# Altium PCB RevA3.PcbDoc (part 2 of 5) (continued)
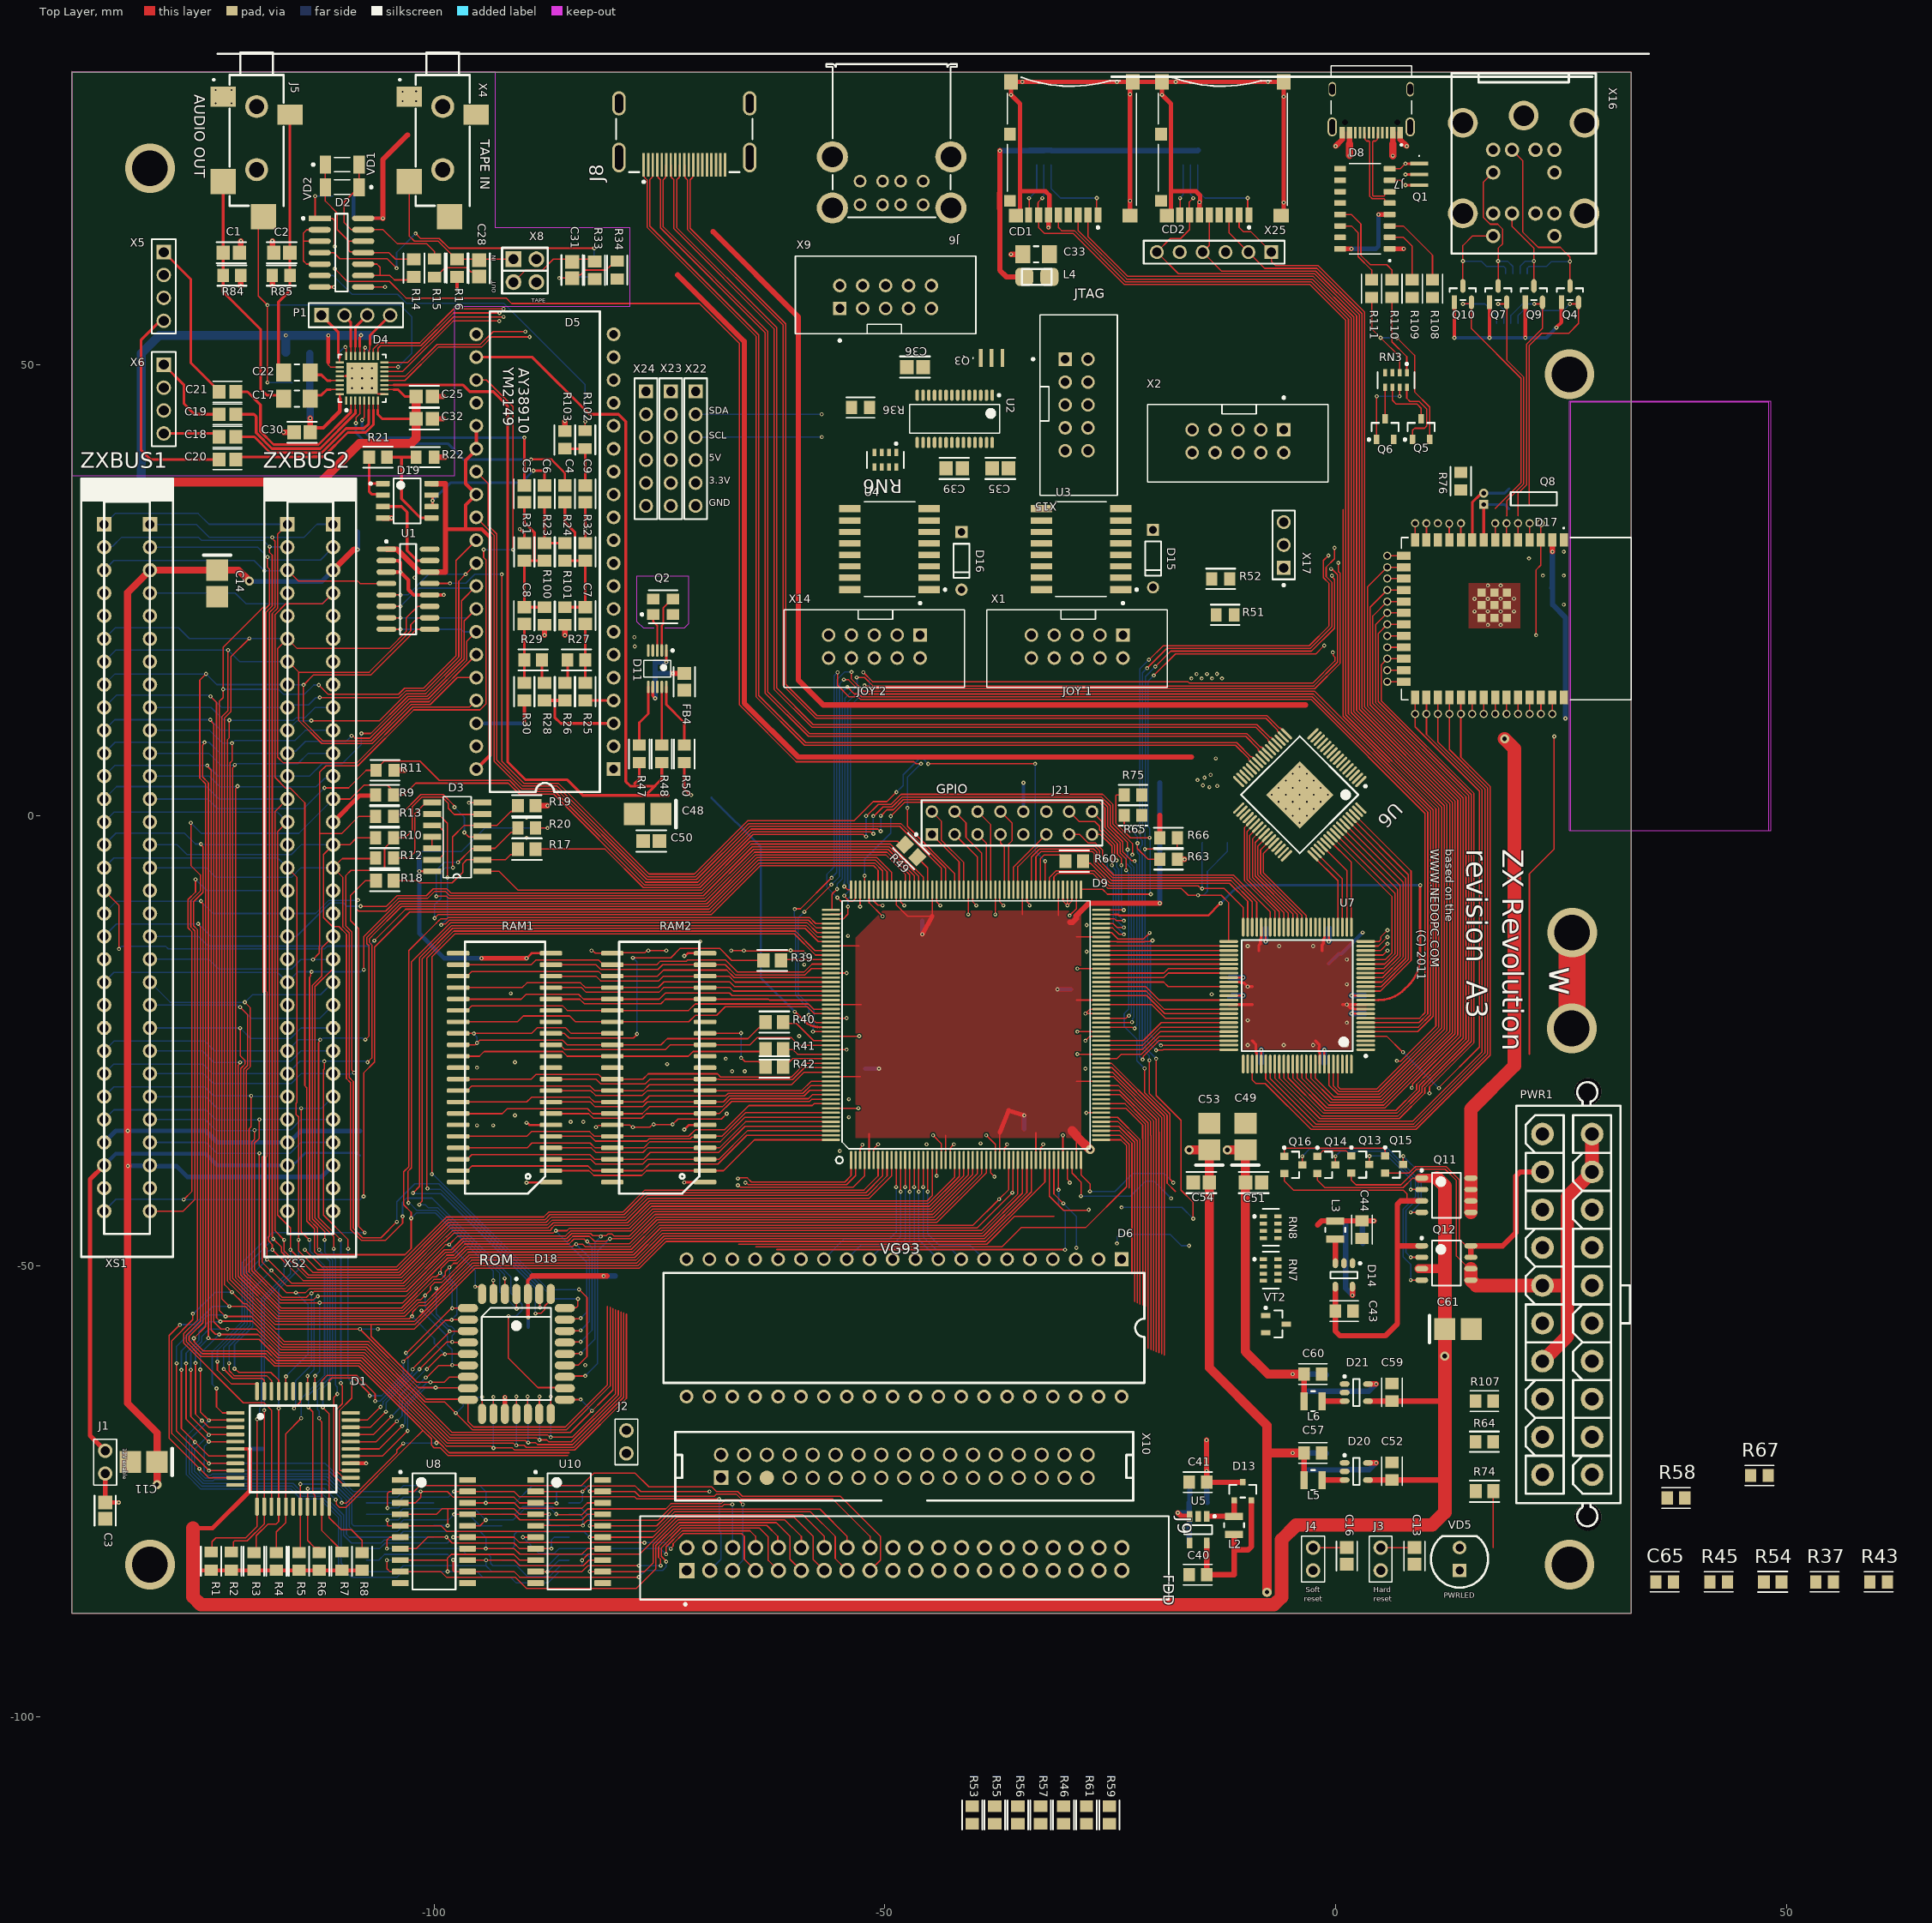
[diagram p0: Top Layer view]
## Part data (continued)
J7: "C Type USB Type-C Female Plug 16 Pin Connector Power Charger Jack Port", Package=Package, Availability=Unavailable, Check_prices=https://www.snapeda.com/parts/CQ-USB-C16PSMT01/Shenzen%20Chuangqin%20Technology/view-part/5798994/?ref=eda, MF="Shenzen Chuangqin Technology", MP=CQ-USB-C16PSMT01, Price=None, SnapEDA_Link=https://www.snapeda.com/parts/CQ-USB-C16PSMT01/Shenzen%20Chuangqin%20Technology/view-part/5798994/?ref=snap
J8: library part CMP-1502-00169-2, "CONN RCPT HDMI 19POS SMD R/A", Color=Black, Flammability Rating="UL94 V-0", Max Operating Temperature=85°C, Min Operating Temperature=-25°C, Package Quantity=1, Body Material=Plastic, Connector Type=HDMI, Contact Material=Bronze, Features=Shielded, Gender=Receptacle, Height=5.55mm, Insulation Color=Black, Length=12.15mm, Mount="Surface Mount", Number of Contacts=19, Number of Ports=1, Number of Positions=19, Orientation="Right Angle", Packaging="Tape and Reel", RoHS Compliant=Yes, Series=WR-COM, Shielding=Shielded, Termination=SMD/SMT, Width=15mm
J9: library part CMP-1502-00015-2, "CONN HEADER VERT 40POS 2.54MM", Color=Black, Flammability Rating="UL94 V-0", Max Operating Temperature=125°C, Min Operating Temperature=-40°C, Voltage Rating=250V, Connector Type=Header, Contact Finish - Mating=GOLD, Contact Material="Copper Alloy", Contact Plating=Gold, Contact Shape=Square, Contact Type="Male Pin", Fastening Type=Pull, Gender=Male, Insulation Color=Black, Insulation Material=PBT, Mount="Through Hole", Number of Contacts=40, Number of Positions=40, Number of Rows=2, Packaging=Tray, Pitch=0.1inch, RoHS Compliant=Yes, Row Spacing=0.1inch, Series=WR-BHD, Termination=Solder
J21: library part CMP-03369-000064-1, "CONN HEADER VERT 16POS 2.54MM", Case/Package=PLD-16, Manufacturer="TE Connectivity", Category=Connector, Manufacturer Part Number=87227-8, Pitch=2.54mm
L1 L4: Case/Package=0805, Category=Inductor
L2 L3 L5 L6: library part CMP-06042-014522-1, "Shielded Wirewound Inductor 2.2uH 20% 2200mA 0.084Ω 1008 (2520)", Case Code (Imperial)=1008, Case Code (Metric)=2520, Current Rating=3A, DC Resistance (DCR)=84mR, Inductance=2.2uH, Max DC Current=2.2A, Max Operating Temperature=125°C, Min Operating Temperature=-40°C, Resistor Type=Wirewound, Test Frequency=1MHz, Tolerance=20%, Case/Package=1008, Core Material=Ferrite, Depth=2mm, Height - Seated (Max)=0.039inch, Lead Free="Lead Free", Length=0.098inch, Mount="Surface Mount", Packaging="Tape and Reel", Shielding=Shielded, Width=0.079inch
P1 X5 X6: library part CMP-1502-01064-1, "THT Vertical Pin Header WR-PHD, Pitch 2.54 mm, Single Row, 4 pins", Case/Package=PLS-4, Manufacturer="Wurth Electronics", Category=Connector, Manufacturer Part Number=61300411121, Pitch=2.54mm
PWR1: Case/Package="Mini-Fit 20 PIN 5.2", Analogs=MF-20MA;N42GP-20, Category=Connector
Q1 Q3: library part CMP-2000-06123-1, "Ceramic Resonator, 12 MHz, +/- 0.5%, -40 to 125 degC, 3-Pin SMD, RoHS, Tape and Reel", Capacitance=33pF, Manufacturer=Murata, Category=CrystalsandOscillators, Manufacturer Part Number=CSTCE12M0G55Z-R0
Q2: library part CMP-27762-000021-1, "CRYSTAL 25.0000MHZ 10PF SMD", Case/Package=SMD/SMT, Manufacturer=Abracon, Manufacturer Part Number=ABM8G-25.000MHZ-B4Y-T, Category=CrystalsandOscillators, Number of Pins=4, Termination=SMD/SMT
Q4 Q7 Q9 Q10: library part CMP-07173-000101-1, "MOSFET N-CH 50V 220MA SOT-23", Case/Package=SOT-23, Manufacturer="ON Semiconductor / Fairchild", Category=Transistor, Manufacturer Part Number=BSS138, Number of Pins=3, Termination=SMD/SMT
Q5 Q6 VT1 VT2: library part CMP-1177-00027-1, "NPN Silicon AF Transistor, 45 V VCEO, 500 mA IC, SOT23, Reel, Green", Case/Package=SOT-23, Manufacturer=Infineon, Category=Transistor, Manufacturer Part Number=BC817K-25, PackageDescription="3-Pin Small Outline Transistor Package, 1.3 x 2.9 mm Body, 0.95 mm Pitch", PartNumber=BC817K-25
Q8: library part CMP-1326-00001-1, "Low Frequency Cylindrical Watch Crystal, 32.768 kHz, -20 to 70 degC, 2-Pin 5 x 1.4 x 1.5 mm THD, RoHS, Bulk", Manufacturer=Abracon, Category=CrystalsandOscillators, Manufacturer Part Number=AB15T-32.768KHZ, PackageDescription="2-Pin THD, Body 5 x 1.4 mm, Pin Spacing 0.45 mm", PartNumber=AB15T-32.768KHZ
Q11 Q12: "IRF7104PBF Dual P-channel MOSFET Transistor; 2.3 A; 20 V; 8-Pin SOIC", Case/Package=SOIC, Continuous Drain Current (ID)="2.3 A", Drain to Source Breakdown Voltage="-20 V", Drain to Source Resistance="250 mΩ", Gate to Source Voltage (Vgs)="12 V", Mount="Surface Mount", Nominal Vgs="-3 V", Number of Elements=2, Number of Pins=8
Q13 Q14 Q15 Q16: library part CMP-1048-00691-1, "General Purpose Transistor, PNP Silicon, 3-Pin SOT-23, Pb-Free, Tape and Reel", Manufacturer="On Semiconductor", ComponentLink1Description="Manufacturer URL", ComponentLink1URL=http://www.onsemi.com/, ComponentLink2Description=Datasheet, ComponentLink2URL=http://www.onsemi.com/pub_link/Collateral/BC807-16LT1-D.PDF, ComponentLink3Description="Package Specification", ComponentLink3URL=http://www.onsemi.cn/pub_link/Collateral/318-08.PDF, DatasheetVersion="Rev. 10", fT Min (MHz)=100, IC Continuous (A)=-0.5, Mounting Technology="Surface Mount", PackageDescription="3-Pin Small Outline Transistor, Body 2.92 x 1.3 mm, Pitch 0.95 mm", PackageReference=SOT-23-3-318-08, PackageVersion="Rev. AP, 11/2009", Packing="Tape and Reel", PartNumber=BC807-25LT1G, Polarity=PNP, RoHS=TRUE
R1 R2 R7 R9 R10 R11 R12 R13 R15 R34 R98 R99 R104 R105: library part CMP-03412-000082-1, "RES SMD 680 OHM 1% 1/8W 0805", Case/Package=0805, Manufacturer=Yageo, Resistance=680Ω, Category=Res, Manufacturer Part Number=RT0805FRE07680RL
R3 R4 R5 R6 R8 R20 R45 R53 R59 R61 R62 R63 R65 R66 R75 R76 R84 R85 R127: library part CMP-07231-003873-1, "Thick Film Chip Resistors 0805 10kΩ 0.125W 5% 200ppm/°C", Case/Package=0805, Manufacturer=Bourns, Resistance=10kR, Category=Res, Manufacturer Part Number=CR0805-JW-103ELF, Number of Pins=2, Number of Terminations=2, Termination=SMD/SMT
R14 R16 R33 R112: library part CMP-02407-008731-1, "RES Thick Film, 47kΩ, 1%, 0.5W, 100ppm/°C, 0805", Case/Package=0805, Manufacturer=Vishay, Resistance=47kR, Category=Res, Manufacturer Part Number=CRCW080547K0FKEAHP, Number of Terminations=2, Termination=SMD/SMT
R17 R18 R39 R40 R41 R42 R49 R60 R74: library part CMP-2001-03561-2, "51Ω ±0.5% 0.1W 1/10W Chip Resistor 0805 (2012 Metric) Thin Film", Case/Package=0805, Manufacturer=Susumu, Resistance=51Ω, Category=Res, Manufacturer Part Number=RR1220Q-510-D, Number of Pins=2, Number of Terminations=2, Termination=SMD/SMT
R19 R38 R44 R46 R55 R56 R57 R83 R103: library part CMP-02407-004529-1, "RES Thick Film, 1kΩ, 1%, 0.5W, 100ppm/°C, 0805", Case/Package=0805, Manufacturer="Vishay Dale", Resistance=1kR, Category=Res, Manufacturer Part Number=CRCW08051K00FKEAHP, Number of Pins=2, Termination=Solder
R21 R23 R24 R25 R26 R27 R28 R29 R30 R31 R32 R100 R101 R126: library part CMP-03211-008328-1, "SMD Chip Resistor, Thin Film, 15KΩ, 100 V, 0805 [2012 Metric], 100 mW, 0.1%, RN73 Series", Case/Package=0805, Manufacturer="TE Connectivity", Resistance=15KΩ, Category=Res, Manufacturer Part Number=RN73C2A15KBTDF
R22 R37 R43 R51 R52 R102: library part CMP-03412-025935-1, "RES SMD 3.3K OHM 1% 1/8W 0805", Case/Package=0805, Manufacturer=Yageo, Resistance=3.3KΩ, Category=Res, Manufacturer Part Number=RT0805FRE073K3L
R35: library part CMP-07231-003724-1, "Thick Film Chip Resistors 0805 2.2kΩ 0.125W 5% 200ppm/°C", Case/Package=0805, Manufacturer=Bourns, Resistance=2.2kR, Category=Res, Manufacturer Part Number=CR0805-JW-222ELF, Number of Terminations=2, Termination=SMD/SMT
R36: library part CMP-2001-04496-2, "RES SMD 2.7K OHM 1% 1/8W 0805", Case/Package=0805, Manufacturer=Yageo, Resistance=2.7KΩ, Category=Res, Manufacturer Part Number=AC0805FR-072K7L
R47 R48 R50 R58 R67 R108 R109 R110 R111: library part CMP-07231-004348-1, "Thick Film Chip Resistors 0805 0Ω 0.125W 5%", Case/Package=0805, Manufacturer=Bourns, Resistance=0mR, Category=Res, Manufacturer Part Number=CR0805-J/-000ELF, Number of Pins=2, Termination=SMD/SMT
R54: library part CMP-2001-04378-6, "RES SMD 1M OHM 1% 1/8W 0805", Case Code (Imperial)=0805, Case Code (Metric)=2012, Max Operating Temperature=155°C, Max Power Dissipation=125mW, Min Operating Temperature=-55°C, Package Quantity=1, Resistance=1MR, Resistance Tolerance=1%, Resistor Type="Thick Film", Temperature Coefficient=100ppm/°C, Voltage Rating=150V, Case/Package=0805, Construction=Rectangular, Contact Plating=Tin, Depth=1.25mm, Features="Automotive AEC-Q200", Height=0.6mm, Lead Free="Lead Free", Length=2mm, Military Standard=Not, Mount="Surface Mount", Number of Pins=2, Number of Terminations=2, Packaging="Tape and Reel", Power Rating=125mW, Radiation Hardening=No, REACH SVHC="No SVHC", RoHS Compliant=Yes, Series=ERJ, Size Code=0805, Technology="THICK FILM", Termination=SMD/SMT, Tolerance=1%, Voltage Rating (DC)=150V, Width=1.2mm
R64: library part CMP-08839-004390-1, "Thick Film Chip Resistor, 0805, 1kΩ, 5%, 200ppm/°C, 0.125W, 150V", Case/Package=0805, Manufacturer=Rohm, Resistance=1kR, Category=Res, Manufacturer Part Number=MCR10ERTJ102, Number of Terminations=2
R71 R72 R73 R107: library part CMP-07231-004713-1, "Thick Film Chip Resistors 0805 4.7kΩ 0.125W 5% 200ppm/°C", Case/Package=0805, Manufacturer=Bourns, Resistance=4.7kR, Category=Res, Manufacturer Part Number=CR0805-JW-472ELF, Number of Terminations=2, Termination=SMD/SMT
R106 R124: library part CMP-26527-001097-1, "33kΩ ±5% 0.125W 0805 Thick Film Chip Resistor AEC-Q200 compliant", Case/Package=0805, Manufacturer="Stackpole Electronics", Resistance=33kR, Category=Res, Manufacturer Part Number=RMCF0805JT33K0, Number of Terminations=2
R113 R121 R123 R125: library part CMP-2001-00583-2, "RES 100K OHM 0.1% 1/8W 0805", Case Code (Imperial)=0805, Case Code (Metric)=2012, Max Operating Temperature=155°C, Max Power Dissipation=125mW, Min Operating Temperature=-55°C, Package Quantity=1, Resistance=100kR, Resistance Tolerance=0.1%, Resistor Type="Thin Film", Temperature Coefficient=25ppm/°C, Voltage Rating=100V, Case/Package=0805, Construction=Rectangular, Contact Plating=Tin, Depth=1.25mm, Features="Automotive AEC-Q200", Height=0.5mm, Lead Free="Lead Free", Length=2mm, Military Standard=Not, Mount="Surface Mount", Number of Pins=2, Number of Terminations=2, Packaging="Tape and Reel", Power Rating=125mW, Radiation Hardening=No, REACH SVHC="No SVHC", RoHS Compliant=Yes, Series=ERA-6A, Size Code=0805, Technology="METAL FILM", Termination=Solder, Tolerance=0.1%, Voltage Rating (DC)=100V, Width=1.25mm
R120 R122: library part CMP-02407-007310-1, "RES Thick Film, 22kΩ, 5%, 0.125W, 200ppm/°C, 0805", Case Code (Imperial)=0805, Case Code (Metric)=2012, Max Operating Temperature=155°C, Max Power Dissipation=125mW, Min Operating Temperature=-55°C, Package Quantity=1, Resistance=22kR, Temperature Coefficient=200ppm/°C, Tolerance=5%, Voltage Rating=150V, Case/Package=0805, Composition="Thick Film", Contact Plating=Tin, Depth=1.25mm, Features="Automotive AEC-Q200", Height=0.02inch, Lead Free="Lead Free", Length=2mm, Military Standard=Not, Number of Terminations=2, Packaging="Tape and Reel", Power Rating=125mW, Radiation Hardening=No, Termination=SMD/SMT, Voltage Rating (DC)=150V, Weight=0.000194oz, Width=0.049inch
RAM1 RAM2: Case/Package=SOJ-42, Category=IC
RN1 RN2 RN3 RN4 RN5 RN6 RN7 RN8: library part CMP-07230-000003-1, "RES ARRAY 4 RES 10K OHM 1206", Manufacturer=Bourns, Number Of Resistors=4, Package=CAT16-F4, Power Per Resistor=0.0625W, Power Rating=0.25W, Resistance=10kΩ, Temperature="-55°C to +125°C", Temperature Coefficient=200ppm/°C, Temperature Range High=+125°C, Temperature Range Low=-55°C, Tolerance=1%, Voltage Rating=50V, Automotive=No, Category=Res, ComponentLink2Description=Datasheet, ComponentLink2URL=https://www.bourns.com/docs/Product-Datasheets/CATCAY.pdf, Device Class L1="Passive Components", Device Class L2=Resistors, Device Class L3="Resistor Arrays", Digikey Description="RES ARRAY 4 RES 10K OHM 1206", Height=0.6mm, Lead Free=Yes, Manufacturer Part Number=CAT16-1002F4LF, Mouser Description="Resistor Networks & Arrays 10K 1% Concave 4resistors", Octopart=https://octopart.com/cat16-1002f4lf-bourns-1624551, RoHS=TRUE, Series=CAT16, Termination=Concave
U1: library part CMP-0004-00046-1, "8-Bit, 0.1 us MDAC, Parallel Input, Fast Control Signalling for DSP, Easy Micro Interface, 0 to 70 degC, 16-pin SOIC (D16), Green (RoHS & no Sb/Br)", Case/Package=SOIC-16, Manufacturer="Texas Instruments", Category=IC, Manufacturer Part Number=TLC7524CD, PackageDescription="16-Pin Plastic Small Outline, Body 9.9 x 3.9 mm, Pitch 1.27 mm", PartNumber=TLC7524CD
U2: "USB 2.0 HIGH SPEED 4-PORT HUB CONTROLLER", Case/Package=SSOP-28, Manufacturer="Terminus Technology Inc", Category=IC
U3 U4: library part CMP-10112-000010-1, "IC I/O EXPANDER I2C 8B 16SOIC", Case/Package=SOT162-1, Manufacturer="NXP Semiconductors", Category=IC, Manufacturer Part Number=PCF8574T/3,518
U5: library part CMP-0388-00116-2, "28 V, 250 mA Switch Boost Converter for LCD and White LED Applications, 1.8 to 6 V, -40 to 85 degC, 5-pin SOT23 (DBV5), Green (RoHS & no Sb/Br)", Manufacturer="Texas Instruments", Rating=Catalog, Switching Frequency(Max)(kHz)=1000, Code_JEDEC=MO-178, ComponentLink1Description="Manufacturer URL", ComponentLink1URL=http://www.ti.com/, ComponentLink2Description=Datasheet, ComponentLink2URL=http://www.ti.com/general/docs/lit/getliterature.tsp?genericPartNumber=TPS61041&fileType=pdf, ComponentLink3Description="Package Specification", ComponentLink3URL=http://www.ti.com/litv/pdf/mpds018i, DatasheetVersion=SLVS413F, Dimming=TRUE, Eco-Plan="Green (RoHS & no Sb/Br)", Iout(Max)(A)=0.05, Iq(Typ)(mA)=0.028, Mounting Technology="Surface Mount", PackageDescription="5-Pin Plastic Small Outline, Body 1.60 Ãƒâ€” 2.90 mm, Pitch 0.95 mm", PackageReference=DBV0005A, PackageVersion=4073253-4/K, PartNumber=TPS61041DBVR, SubFamily="White LED Driver", Topology=Boost, Vin(Max)(V)=6, Vin(Min)(V)=1.8
U6: library part CMP-2000-05043-1, "High Performance HDMI Transmitter, 165 MHz, 1.8 to 3.3 V, -25 to 85 degC, 64-Pin LQFP, RoHS, Tray", Manufacturer=AnalogDevicesInc., Maximum Operating Temperature=+85C, Minimum Operating Temperature=-25C, Operating Supply Voltage=1.8Vto3.3V, Package / Case=LQFP-64, Brand=AnalogDevices, Datasheet URL=https://datasheet.ciiva.com/15120/getdatasheetpartid-570006-15120176.pdf, Datasheet Version="Rev. A, 01/2013", Factory Pack Quantity=160, Manufacturer URL=http://www.analog.com/, Mounting Style=SMD/SMT, Number of Channels=8Channel, Packaging=Tray, Product Category=VideoICs, RoHS=Details, Series=ADV7513, Type=HDMITransmitters
U7: library part CMP-0144-00216-1, "MAX II 3.3/2.5V CPLD, 80 IOs, 240 Logic Elements, 100-Pin Plastic TQFP, Commercial Temperature, Speed Grade 5", Case/Package=TQFP-100, Manufacturer="Intel Altera", Category=IC, Manufacturer Part Number=EPM240T100C5, PackageDescription="100-Pin Plastic Thin Quad Flat Pack (TQFP100) - Wire Bond"
U8 U9 U10 U11: library part CMP-1619-00865-2, "Octal D-Type Edge Triggered Flip-Flops with 3-State Outputs, NS0020A, LARGE T&R", F @ Nom Voltage(Max)(Mhz)=75, Generic Part Number=SN74ALS374A, ICC @ Nom Voltage(Max)(mA)=31, Manufacturer="Texas Instruments", Operating Temperature Range(C)="0 to 70", Rating=Catalog, tpd @ Nom Voltage(Max)(ns)=16, Voltage(Nom)(V)=5, 3-State Output=Yes, Bits(#)=8, DatasheetVersion=SDAS167C, Input Type=TTL, Output Drive (IOL/IOH)(Max)(mA)=24/-2.6, Output Logic=Non-inverted, Output Type=TTL, PackageReference=NS0020A, Schmitt Trigger=No, Technology Family=ALS, VCC(Max)(V)=5.5, VCC(Min)(V)=4.5
VD1 VD2: library part CMP-02540-000025-1, "DIODE GEN PURP 75V 150MA SOD80", Capacitance=4pF, Case/Package=SOD80, Manufacturer=Vishay, Category=Diode, Manufacturer Part Number=LS4148-GS08
VD5: "Light Emitting Diode", Category=Diode
X1 X2 X9 X14 X15: library part CMP-2000-06794-1, "Male Header, Pitch 2.54 mm, 2 x 5 Postion, Height 9.91 mm, Tail Length 2.84 mm, -55 to 105 degC, RoHS, Bulk", Case/Package=IDC-10, Manufacturer=3M, PartNumber=N2510, Category=Connector, Manufacturer Part Number=N2510-6002RB, Pitch=2.54mm
X8: Case/Package=PLD-4, Category=Connector
X10: Case/Package=IDC-34, Category=Connector
X16: Case/Package="Stacked Mini DIN", Category=Connector
X17: library part CMP-1676-00001-5, "Male Header, Pitch 2.54 mm, 1 x 3 Position, Height 8.38 mm, Tail Length 3.18 mm, RoHS, Bulk", Case/Package=PLS-3, Manufacturer=Molex, Category=Connector, Manufacturer Part Number=22-28-4033, PackageDescription="Male Header, Pitch 2.54 mm, 1 x 3 Position, Height 8.38 mm, Tail Length 3.18 mm"
X22 X23 X24 X25: library part CMP-1024-00383-1, "0.025\" SQ Post Header, Through-hole, Vertical, -55 to 125 degC, 2.54 mm Pitch, 6-Pin, Male, RoHS", Case/Package=PLS-6, Manufacturer=Samtec, Category=Connector, Manufacturer Part Number=TSW-106-07-G-S, PackageDescription=".025[0.64] SQ. Post Terminal Strip Assembly", PartNumber=TSW-106-07-G-S, Pitch="2.54 mm"
XS1 XS2: Case/Package=SL62, Category=Connector

## Via types
v1: diameter 0.45, hole 0.2, Top Layer to Bottom Layer, tented both sides, 631 vias
v2: diameter 0.9, hole 0.6, Top Layer to Bottom Layer, 35 vias
v3: diameter 0.5, hole 0.2, Top Layer to Bottom Layer, 25 vias
v4: diameter 0.45, hole 0.2, Top Layer to Bottom Layer, tented bottom, 18 vias
v5: diameter 0.45, hole 0.2, Top Layer to Bottom Layer, 15 vias
v6: diameter 1, hole 0.5, Top Layer to Bottom Layer, tented both sides, 9 vias
v7: diameter 5.5, hole 3.96, Top Layer to Bottom Layer, 6 vias

## Nets (pads, with @x,y where several pads share a name; then routed paths per layer and width w, separated by ;. In a path a pad name is that pad's centre, name@x,y a point inside that pad or via, vN(x,y) a via of type N, cw(c..) or ccw(c..) an arc to the next point about the centre after c; other vN are vias at no path point)
2V5: C49.1 C51.1 C60.2 C75.2 C77.1 C84.1 C86.1 C88.1 D9.21 D9.33 D9.48 D9.72 D9.77 D9.91 D9.106 D9.124 D9.130 D9.152 D9.185 D9.201 L6.2 R125.2 | length 94.7
  Top Layer w0.15: D9.201@-56,-32.5 v1(-52.95,-32.5) ; D9.185@-56,-24.5 v1(-52.85,-24.5) ; D9.152@-51.75,-8.25 -51.75,-9.7 v1(-50.25,-11.2) ; v1(-44.65,-35.5) -43.75,-36.4 D9.21@-43.75,-38.25 ; v1(-40.75,-11) D9.130@-40.75,-8.25 ; v1(-38.75,-35.5) -37.75,-36.5 D9.33@-37.75,-38.25 ; v1(-37.75,-11) D9.124@-37.75,-8.25 ; D9.48@-30.25,-38.25 v1(-30.25,-35.5) ; v1(-29.504,-11.113) -28.75,-10.359 D9.106@-28.75,-8.25 ; v1(-28.65,-26.5) D9.72@-26,-26.5 ; v1(-28.65,-24) D9.77@-26,-24 ; v1(-28.65,-17) D9.91@-26,-17
  Top Layer w0.6: L6.2@-3.5,-65 C60.2@-3.5,-62
  Top Layer w1: v6(-12,-37.125) C49.1@-10,-37.125 C51.1@-10,-40.75 -10,-59.5 -7.5,-62 v5(-4.75,-62) C60.2@-3.5,-62
  Mid Layer 2 w1: -29,-35.5 -29,-37.75 -27.75,-39 -13.875,-39 v6(-12,-37.125)
  Bottom Layer w0.6: v5(-4.75,-62) R125.2@-3.5,-62 -1.1,-62 C75.2@-1,-62.1
3V3: C23.1 C24.1 C25.1 C32.1 C53.1 C54.1 C57.2 C58.2 C63.1 C64.1 C67.1 C68.1 C69.1 C71.1 C72.1 C73.1 C76.1 C82.1 C85.1 C89.1 D4.8 D4.10 D4.21 D4.26 D9.5 D9.22 D9.34 D9.42 D9.51 D9.66 D9.84 D9.98 D9.110 D9.118 D9.138 D9.146 D9.165 D9.178 D9.194 FB4.1 J21.10 L1.2 L4.2 L5.2 Q4.1 Q7.1 Q9.1 Q10.1 R51.1 R52.1 R65.2 R66.2 R71.1 R73.1 R75.2 R123.2 RN1.5 RN1.6 RN1.7 RN1.8 RN2.5 RN2.6 RN2.7 RN2.8 RN5.1 RN5.2 RN5.3 RN5.4 U7.9 U7.13 U7.31 U7.45 U7.59 U7.63 U7.80 U7.94 X2.4 X15.4 X22.5 X23.5 X24.5 | length 652.1
  Top Layer w0.15: -111.75,50.25 -111.75,50 -111.5,49.75 D4.26@-110.475,49.75 ; D4.21@-108.25,50.975 -108.25,52 ; -106.25,45 D4.8@-106.25,46.025 ; D4.10@-105.525,47.25 -104.5,47.25 ; D9.194@-56,-29 -52.75,-29 ; D9.178@-56,-21 -52.65,-21 ; D9.165@-56,-14.5 -52.85,-14.5 ; D9.5@-51.75,-38.25 -51.75,-35.3 ; D9.146@-48.75,-8.25 -48.75,-9.913 -47.463,-11.2 -44.75,-11.2 D9.138@-44.75,-8.25 ; D9.22@-43.25,-38.25 -43.25,-35.5 ; D9.34@-37.25,-38.25 -37.25,-35.2 ; -34.75,-11 D9.118@-34.75,-8.25 ; D9.42@-33.25,-38.25 -33.25,-35.2 ; -30.75,-11.1 D9.110@-30.75,-8.25 ; D9.51@-28.75,-38.25 -28.75,-36.412 -28.75,-35.5 ; -28.75,-29.5 D9.66@-26,-29.5 ; -28.75,-20.5 D9.84@-26,-20.5 ; -28.75,-13.5 D9.98@-26,-13.5 ; -28.65,-35.5 -28.65,-35.4
  Top Layer w0.22: U7.63@-11.85,-20 v1(-10.25,-20) ; U7.59@-11.85,-18 v1(-10.25,-18) ; v1(-8.253,-26.002) -8.25,-26.005 U7.80@-8.25,-27.6 ; v1(-7.75,-14) U7.45@-7.75,-12.4 ; U7.94@-1.25,-27.6 v1(-1.25,-26) ; v1(-0.75,-14) U7.31@-0.75,-12.4 ; v1(1.75,-22) U7.9@3.35,-22 ; v1(1.75,-20) U7.13@3.35,-20
  Top Layer w0.3: -108.25,52 -108.25,53.043 -108.106,53.187 v1(-108.106,53.268) ; -106.25,45 -106.25,44.475 -105.775,44 C32.1@-102,44 ; -104.5,47.25 -104.025,47.25 -103.25,46.475 C25.1@-102,46.475
  Top Layer w0.4: -111.75,50.25 v1(-111.75,53.25) ; v1(13.17,52.997) Q10.1@13.17,56.929 ; v1(17.086,52.997) Q7.1@17.086,56.93 ; v1(21.05,52.997) Q9.1@21.05,56.93 ; v1(24.5,54.117) 24.5,54.171 25.05,54.721 Q4.1@25.05,56.93
  Top Layer w0.5: v1(-45.85,-13.2) -44.75,-11.2 ; -37.25,-35.2 -36.265,-32.753 v1(-34.55,-33.3)
  Top Layer w0.6: v1(-37.25,73.75) -37.25,69.048 -37.254,69.044 -37.254,67.33 -37.25,67.326 -37.25,60.5 -36.5,59.75 L4.2@-34.544,59.75 ; -29.476,-11.863 -29.193,-11.863 -28.754,-11.424 -28.754,-11.131 -27.373,-9.749 v1(-19.5,-9.749) ; R66.2@-19.511,-2.5 -19.51,0 ; L5.2@-3.5,-73.75 C57.2@-3.5,-70.75
  Top Layer w1: v6(-132.5,37) -112.553,37 -108.293,41.26 -102.586,41.26 -102,41.846 C32.1@-102,44 C25.1@-102,46.475 ; -29.25,-35 -28.75,-35.5 ; -28.75,-35.594 -27.25,-37.094 v6(-27.219,-37.094) ; v6(-16.25,-37.125) C53.1@-14,-37.125 C54.1@-14,-40.75 -14,-61.301 -7.61,-67.692 -7.61,-70.86 ; v6(-7.61,-86.19) -7.61,-70.86 ; C57.2@-3.5,-70.75 v5(-4.75,-70.75) -7.5,-70.75 -7.61,-70.86
  Mid Layer 2 w0.6: v1(-10.25,-20) -7.75,-20 ; v1(-10.25,-18) -7.75,-18 ; v1(-8.253,-26.002) -8.253,-23.503 ; -7.75,-16.25 v1(-7.75,-14) ; v1(-1.25,-26) -1.25,-23.75 ; -0.75,-22 v1(1.75,-22) ; -0.75,-20 v1(1.75,-20) ; -0.75,-16.466 v1(-0.75,-14)
  Mid Layer 2 w1: v6(-132.5,37) -137.5,37 -139.5,35 -139.5,-63.5 -124.9,-78.1 -124.9,-85.234 -123.929,-86.205 -7.625,-86.205 v6(-7.61,-86.19) ; v6(-27.219,-37.094) -27.187,-37.125 v6(-16.25,-37.125) -16.25,-27.25 -13.25,-24.25 -8.609,-24.25
  Bottom Layer w0.4: J21.10@-34.637,0.426 v1(-34.637,3.625) ; -0.75,-16.466 0.358,-15.358 0.642,-15.358 v1(3,-13) ; v1(13.17,52.997) v1(17.086,52.997) RN5.4@17.85,52.997 RN5.3@18.65,52.997 RN5.2@19.45,52.997 RN5.1@20.25,52.997 v1(21.05,52.997) 23.381,52.997 v1(24.5,54.117)
  Bottom Layer w0.5: C89.1@-52.15,-28.1 v1(-50.65,-28.1) ; v1(-45.85,-13.2) C85.1@-45.85,-11.7 ; C82.1@-34.55,-34.8 v1(-34.55,-33.3) ; v1(-30.85,-19.3) C76.1@-29.35,-19.3
  Bottom Layer w0.6: L1.2@-116.581,51.25 L1.2@-116.452,51.378 ; v1(-37.25,73.75) RN1.7@-32.35,73.75 ; RN1.5@-33.95,73.8 RN1.6@-33.15,73.8 RN1.7@-32.35,73.8 RN1.8@-31.55,73.8 -31.5,73.75 -15.3,73.75 RN2.8@-15.251,73.799 ; -19.51,3.625 -19.51,-9.74 v1(-19.5,-9.749) ; C71.1@-11.75,-20.281 -11.457,-19.988 -10.262,-19.988 v1(-10.25,-20) ; C69.1@-11.75,-18 v1(-10.25,-18) ; C68.1@-8.253,-27.5 v1(-8.253,-26.002) ; v1(-7.75,-14) C72.1@-7.75,-12.5 ; v5(-4.75,-70.75) R123.2@-3.5,-70.75 -1.05,-70.75 C58.2@-1,-70.8 ; C64.1@-1.25,-27.5 v1(-1.25,-26) ; v1(-0.75,-14) C73.1@-0.75,-12.5 ; v1(1.75,-22) C63.1@3.25,-22 ; v1(1.75,-20) C67.1@3.25,-20
  Bottom Layer w0.8: -108.797,53.25 -108.779,53.268 ; C24.1@-107.143,53.268 C24.1@-107.125,53.25
  Bottom Layer w1: v6(-132.5,37) -132.5,51.25 -130.477,53.273 -120.25,53.273 -120.227,53.25 v1(-116.452,53.25) ; L1.2@-116.452,51.378 v1(-116.452,53.25) ; -108.797,53.25 C23.1@-110.475,53.25 v1(-111.75,53.25) v1(-116.452,53.25) ; -108.779,53.268 v1(-108.106,53.268) C24.1@-107.143,53.268
5V0: C37.1 C39.1 C40.2 C46.1 C48.1 C50.1 C52.2 C59.2 C61.1 C62.1 C74.1 C83.1 C87.2 C92.1 C93.1 C94.1 C95.1 C96.1 C97.1 C98.1 C99.1 C100.1 C101.1 C102.1 C103.1 C104.1 C105.1 C106.1 C107.1 C108.1 D1.6 D2.14 D5.25 D5.26 D5.28 D5.40 D6.21 D6.22 D7.14 D10.16 D12.14 D13.2 D15.1 D16.1 D18.32 D19.8 D20.4 D21.4 J6.1 J6.5 J8.18 L2.1 Q11.1 Q12.3 Q14.2 R1.2 R2.2 R3.1 R4.1 R5.1 R6.1 R7.2 R8.1 R20.2 R37.1 R43.1 R44.2 R46.1 R53.2 R55.2 R56.2 R57.2 R59.2 R61.2 R62.2 R83.2 RAM1.1 RAM1.6 RAM1.21 RAM2.1 RAM2.6 RAM2.21 RN4.5 RN4.6 RN4.7 RN4.8 RN6.5 RN6.6 RN6.7 RN6.8 U1.1 U1.14 U2.20 U3.16 U4.1 U4.16 U5.5 U8.20 U9.20 U10.20 U11.20 VD5.A X9.1 X9.2 X16.4 X16.10 X22.4 X23.4 X24.4 | length 694.8
  Top Layer w0.15: R20.2@-88.35,-1.4 -88.345,-1.404 v1(-87.425,-1.404) ; Q14.2@-2.019,-39.725 -2.019,-40.481 -1.2,-41.3 7.503,-41.3 8.556,-40.247 Q11.1@9.288,-40.247
  Top Layer w0.254: v1(-101.65,-6.2) -100.238,-6.2 ; v1(-89.754,-34.113) -89.66,-34.113 -89.424,-34.35 RAM1.6@-87.1,-34.35 ; v1(-89.754,-15.863) -89.19,-15.3 RAM1.21@-87.05,-15.3 ; v1(-89.75,-40.75) -89.725,-40.725 -87.075,-40.725 RAM1.1@-87.05,-40.7 ; v1@-89.584,-55.681 v1(-89.557,-55.707) ; v1(-72.264,-40.739) -72.245,-40.719 -69.97,-40.719 RAM2.1@-69.95,-40.7 ; v1(-72.254,-34.863) -71.74,-34.35 RAM2.6@-70,-34.35 ; v1(-72.254,-15.6) -72.16,-15.6 -71.86,-15.3 RAM2.21@-69.95,-15.3
  Top Layer w0.4: -126.754,-83.863 -126.088,-83.863 -126,-83.775 -124.75,-83.775 -122.5,-83.775 -120,-83.775 -117.5,-83.775 -115,-83.775 -112.75,-83.775 -110.25,-83.775 R8.1@-107.85,-83.775 ; D1.6@-122.05,-70.3 v1(-120.45,-70.3) ; D2.14@-107.112,66.25 v1(-105.7,66.25) ; -98.75,31.756 -96.5,31.756 ; D5.40@-95.335,5.125 -93.791,6.669 -93.791,30.85 -94.697,31.756 -96.5,31.756 ; D5.26@-95.186,40.834 D5.26@-95.335,40.685 ; D5.25@-95.186,43.076 D5.25@-95.335,43.225 D5.26@-95.335,40.685 ; D18.32@-89.61,-53.11 -89.61,-51.618 -89.105,-51.113 ; v1@-89.584,-55.681 D18.32@-89.584,-53.129 ; -80.85,-51.1 -80.836,-51.113 ; -96.5,31.756 -96.5,34.44 D5.28@-95.335,35.605 -96.524,36.794 -96.524,39.399 -95.335,40.588 D5.26@-95.335,40.685
  Top Layer w0.5: -126.75,-79.1 -124.6,-79.1 -120.45,-74.95 v1(-120.45,-70.3) ; v1(-94.754,-15.863) v1(-89.754,-15.863)
  Top Layer w0.6: v1(-105.7,66.25) -105.7,72.76 -102.96,75.5 ; U1.1@-105.3,29.54 -105.281,29.521 -104.119,29.521 -101.618,27.019 -100.519,27.019 U1.14@-100.5,27 -98.75,27 -98.75,31.756 -98.75,36.81 D19.8@-100.3,36.81 ; -89.105,-51.113 -80.863,-51.113 -80.85,-51.1 ; U5.5@-14.3,-80.725 C40.2@-14.3,-84.25 -11.25,-84.25 -11.25,-81.5 ; L2.1@-11.25,-79.775 -11.25,-81.5 ; D13.2@-9.35,-76 -9.35,-81.149 -9.701,-81.5 -11.25,-81.5 ; D20.4@3.6,-73.75 C52.2@6.25,-73.75 12.118,-73.75 ; D21.4@3.6,-65 C59.2@6.25,-65 11.868,-65 12.118,-64.75
  Top Layer w1: Q12.3@9.256,-50.303 Q12.3@9.56,-50.303 12.102,-50.303 ; Q11.1@9.288,-40.247 Q11.1@9.56,-40.247 11.25,-40.247
  Top Layer w1.5: -126.754,-83.863 -126.754,-86.711 -125.875,-87.59 -6.84,-87.59 -6,-86.75 -6,-80.385 -4.365,-78.75 10.712,-78.75 12.118,-77.344 12.118,-73.75 12.118,-64.75 12.118,-60 12.118,-59 12.118,-50.303 12.118,-41.115 11.25,-40.247 ; -126.75,-83.5 -126.75,-79.1
  Mid Layer 2 w1: X24.4@-76.5,39.42 X23.4@-73.75,39.42 X22.4@-71,39.42 -67.5,39.42 -67.49,39.41 -67,39.41
  Mid Layer 2 w1.5: -89.754,-13.363 v1(-89.754,-15.863) v1(-89.754,-34.113) -89.75,-34.117 v1(-89.75,-40.75) ; -89.75,-25.5 -89.5,-25.75 -72.254,-25.75 ; -67,63.989 -67,39.41 -67,0.246 -72.254,-5.008 v1(-72.254,-15.6) -72.254,-25.75 ; v6(12.094,-60) -10.871,-60 -11.75,-59.121 -11.75,-47.5 -13.25,-46 -70.721,-46 -72.264,-44.457 -72.264,-37.61 -72.254,-37.6 v1(-72.254,-34.863) -72.254,-25.75
  Bottom Layer w0.15: C106.1@-101.65,-4.5 -101.65,-4 -96.963,-4 -94.363,-1.4 -87.429,-1.4 v1(-87.425,-1.404)
  Bottom Layer w0.4: R83.2@-108.95,68.71 C107.1@-108.95,66.25 ; C107.1@-108.916,66.216 C107.1@-108.95,66.25 ; v1(-105.7,66.25) C107.1@-108.95,66.25 ; C105.1@-89.557,-56.759 v1(-89.557,-55.707)
  Bottom Layer w0.5: v1(-120.45,-70.3) C108.1@-119.05,-70.3 ; C106.1@-101.75,-4.4 C106.1@-101.65,-4.5 ; v1(-101.65,-6.2) -101.65,-13.1 -98.887,-15.863 v1(-94.754,-15.863)
  Bottom Layer w0.6: v1(-101.65,-6.2) C106.1@-101.65,-4.5 ; v1(-81.205,-51.111) C100.1@-79.905,-51.111
5V0_ATX: C11.1 C14.1 C15.1 C26.1 PWR1.4 PWR1.6 PWR1.19 PWR1.20 Q12.5 Q12.6 Q13.2 XS1.A3 XS1.A29 XS1.B28 XS2.A3 XS2.A29 XS2.B28 | length 438.2
  Top Layer w0.15: Q13.2@1.75,-39.7 1.75,-40.5 2.25,-41 7.256,-41 8.984,-39.272 12.157,-39.272 13.407,-40.522 13.407,-48.902 14.499,-49.994 14.499,-50.095 14.707,-50.303 Q12.6@15.01,-50.303
  Top Layer w0.3: PWR1.20@28.45,-35.363 PWR1.20@28.456,-35.363
  Top Layer w0.6: XS2.A3@-111.21,27.21 -108.88,29.54
  Top Layer w0.8: v6(-130.75,-74.25) C11.1@-130.75,-71.75 -130.75,-68.5 -134,-65.25 -134,-38.92 v1(-133.981,-38.901) -134,-38.881 v1(-134,-35) -134,24.74 XS1.A3@-131.53,27.21 C14.1@-124.068,27.21 ; C14.1@-124,27.142 C14.1@-124.068,27.21 ; v6(-120.5,26) -121.71,27.21 C14.1@-124.068,27.21
  Top Layer w1.5: Q12.6@15.01,-50.303 Q12.5@15.01,-51.573 15.6,-52.163 PWR1.6@22.956,-52.163 25.706,-52.163 ; PWR1.4@22.956,-60.563 25.706,-57.813 25.706,-52.163 ; PWR1.20@28.456,-35.363 PWR1.19@28.456,-39.563 25.706,-42.313 25.706,-52.163
  Mid Layer 2 w0.8: v6@-130.752,-74.248 -125.95,-79.05 -125.95,-85.669 -124.329,-87.29 19.579,-87.29 20.7,-86.168 20.7,-80.418 25.25,-75.869 25.25,-63.128 22.956,-60.834 PWR1.4@22.956,-60.563
  Bottom Layer w0.5: XS1.B28@-136.61,-36.29 -135.32,-35 v1(-134,-35) -125.325,-35 -124.035,-36.29 XS2.B28@-116.29,-36.29 -116.094,-36.29 -114.844,-35.04 C26.1@-108.234,-35.04 ; v1(-133.981,-38.901) -133.962,-38.881 -131.582,-38.881 XS1.A29@-131.53,-38.83 -131.44,-38.92 -128.588,-38.92 -127.388,-40.12 -112.498,-40.12 -111.21,-38.831 XS2.A29@-111.21,-38.83 ; v6@-120.531,25.96 -112.46,25.96 XS2.A3@-111.21,27.21
  Bottom Layer w0.6: v1(-108.5,29.5) C15.1@-108.5,31.45
5V0_STBY: PWR1.9 Q12.7 Q12.8 Q15.2 | length 33.6
  Top Layer w0.15: Q15.2@5.5,-39.7 8.128,-39.7 8.556,-39.272 8.559,-39.272 8.859,-38.972 12.281,-38.972 13.707,-40.398 13.707,-46.987 14.483,-47.763 Q12.8@15.01,-47.763
  Top Layer w0.6: Q12.7@15.01,-49.033 Q12.8@15.01,-47.763 18.538,-47.763 20,-46.301 20,-40.035 20.472,-39.563 PWR1.9@22.956,-39.563
12V0_ATX: C3.1 J1.0 PWR1.10 | length 224.9
  Top Layer w0.5: J1.0@-136.5,-73.04 C3.1@-136.5,-76.25 v1(-135,-76.25)
  Mid Layer 2 w0.5: v1(-135,-76.25) -130,-76.25 -126.75,-79.5 -126.75,-86 -124.66,-88.09 19.91,-88.09 21.5,-86.5 21.5,-80.75 26.05,-76.2 26.05,-38.457 PWR1.10@22.956,-35.363
A0: D1.27 D9.44 D18.12 XS1.A9 XS2.A9 | length 214.5
  Top Layer w0.15: v1(-122.725,10.568) -122.725,8.604 -122.95,8.379 -122.95,-51.642 -117.592,-57 v1(-108.239,-57) -101.74,-63.5 v1(-99.85,-63.5) -99.845,-63.505 -96.57,-63.505 D18.12@-96.565,-63.51 ; D1.27@-109.25,-71.1 -105.76,-71.1 v1(-102.95,-68.29) ; v1(-106.25,-57) -102.217,-57 -95.48,-50.263 -77.26,-50.263 -74.274,-47.277 -38.827,-47.277 -32.25,-40.7 D9.44@-32.25,-38.25
  Bottom Layer w0.15: XS1.A9@-131.53,11.97 -124.733,11.97 -123.331,10.568 v1(-122.725,10.568) ; v1@-122.755,10.53 -115.614,10.53 -115.339,10.805 -114.365,10.805 -113.2,11.97 XS2.A9@-111.21,11.97 ; v1(-108.239,-57) v1(-106.25,-57) ; v1(-102.95,-68.29) -102.95,-66.216 -102.95,-65.501 -100.948,-63.5 v1(-99.85,-63.5)
A1: D1.28 D9.41 D18.11 XS1.A10 XS2.A10 | length 209.3
  Top Layer w0.15: v1(-122.425,8.011) -122.425,6.046 -122.65,5.821 -122.65,-51.518 -117.707,-56.461 -107,-56.461 ; D1.28@-109.25,-70.3 -106.089,-70.3 v1(-103.55,-67.761) ; D18.11@-96.255,-62.3 -96.279,-62.324 -98.324,-62.324 -98.9,-62.9 v1(-100.401,-62.9) -101.915,-62.9 -107,-57.815 -107,-56.461 ; D9.41@-33.75,-38.25 -33.75,-41.775 -38.952,-46.977 -74.398,-46.977 -77.384,-49.963 -95.604,-49.963 -102.101,-56.461 -107,-56.461
  Bottom Layer w0.15: XS1.A10@-131.53,9.43 -124.911,9.43 -123.491,8.011 -122.398,8.011 -122.112,8.297 -115.434,8.297 -114.3,9.43 XS2.A10@-111.21,9.43 ; v1(-103.55,-67.761) -103.55,-67.748 -103.25,-67.448 -103.25,-66.341 -103.25,-65.377 -100.823,-62.95 -100.451,-62.95 v1(-100.401,-62.9)
A2: D1.29 D9.40 D18.10 XS1.A11 XS2.A11 | length 203.3
  Top Layer w0.15: v1(-122.125,5.603) -122.125,5.515 -122.35,5.29 -122.35,-51.394 -117.583,-56.161 -102.226,-56.161 -101.207,-55.142 ; D1.29@-109.25,-69.5 -106.418,-69.5 v1(-104.15,-67.231) ; v1(-101.402,-54.948) -101.207,-55.142 ; v1(-100.937,-62.375) -100.831,-62.375 -99.486,-61.03 v1@-98,-61.03 ; v1(-98,-61) -97.985,-61.015 -96.27,-61.015 D18.10@-96.255,-61.03 ; D9.40@-34.25,-38.25 -34.25,-41.851 -39.076,-46.677 -74.522,-46.677 -77.508,-49.663 -95.728,-49.663 -101.207,-55.142
  Bottom Layer w0.15: XS1.A11@-131.53,6.89 -124.998,6.89 -123.668,5.56 -122.168,5.56 v1(-122.125,5.603) -122.003,5.603 -121.87,5.736 -115.122,5.736 -113.968,6.89 XS2.A11@-111.21,6.89 ; v1(-104.15,-67.231) -103.55,-66.631 -103.55,-64.988 v1(-100.937,-62.375) ; v1(-101.402,-54.948) -98.525,-57.825 -98.525,-58.757 -98,-59.282 v1(-98,-61)
A3: D1.30 D9.39 D18.9 XS1.A12 XS2.A12 | length 197.9
  Top Layer w0.15: v1(-121.825,3.233) -121.825,3.145 -122.05,2.92 -122.05,-51.27 -117.459,-55.861 -102.777,-55.861 -102.502,-55.586 v1(-102.464,-55.586) -102.378,-55.5 -102.378,-55.111 -101.64,-54.373 -100.862,-54.373 -95.852,-49.363 -77.633,-49.363 -74.646,-46.377 -39.2,-46.377 -34.75,-41.927 D9.39@-34.75,-38.25 ; D1.30@-109.25,-68.7 -106.747,-68.7 v1(-104.75,-66.702) ; v1(-100.806,-61.458) -99.191,-59.843 -98.875,-59.843 v1(-98.812,-59.78) ; v1@-98.801,-59.77 D18.9@-96.359,-59.77
  Bottom Layer w0.15: XS1.A12@-131.53,4.35 -124.954,4.35 -123.789,3.185 -121.872,3.185 v1(-121.825,3.233) ; v1@-121.825,3.161 -113.105,3.161 -112.137,4.128 -111.432,4.128 XS2.A12@-111.21,4.35 ; v1(-104.75,-66.702) -103.85,-65.802 -103.85,-64.417 -101.416,-61.983 ; v1(-102.464,-55.586) -99.986,-58.063 -99.986,-58.606 v1(-98.812,-59.78) ; -101.414,-61.983 -100.889,-61.458 v1(-100.806,-61.458)
A4: D1.31 D9.38 D18.8 XS1.A24 XS2.A24 | length 167.5
  Top Layer w0.15: v1(-121.525,-27.407) -121.525,-27.495 -121.75,-27.72 -121.75,-51.145 -117.334,-55.561 -103.252,-55.561 -101.764,-54.073 -100.986,-54.073 -99.581,-52.668 ; D1.31@-109.25,-67.9 -107.076,-67.9 v1(-105.35,-66.173) ; v1(-101.632,-61.458) -98.607,-58.434 v1(-98,-58.434) ; v1(-99.776,-52.474) -99.581,-52.668 ; v1@-97.959,-58.43 -97.927,-58.462 -96.533,-58.462 D18.8@-96.52,-58.475 ; D9.38@-35.25,-38.25 -35.25,-42.003 -39.324,-46.077 -74.771,-46.077 -77.757,-49.063 -95.977,-49.063 -99.581,-52.668
  Bottom Layer w0.15: XS1.A24@-131.53,-26.13 -125.723,-26.13 -124.445,-27.407 -121.403,-27.407 -121.252,-27.256 -115.896,-27.256 -114.77,-26.13 XS2.A24@-111.21,-26.13 ; v1(-105.35,-66.173) -105.35,-65.188 -101.632,-61.47 v1(-101.632,-61.458) ; v1(-99.776,-52.474) -99.776,-55.339 -98.387,-56.728 -98.069,-56.728 -97.762,-57.035 -97.762,-57.511 -98,-57.75 v1(-98,-58.434)
A5: D1.32 D6.5 D9.37 D18.7 XS1.A23 XS2.A23 | length 168.7
  Top Layer w0.15: v1(-121.525,-23.603) -121.525,-26.665 -121,-27.19 -121,-27.625 -121.307,-27.932 -121.45,-28.075 -121.45,-51.021 -117.21,-55.261 -103.379,-55.261 -101.891,-53.773 -101.499,-53.773 v1(-100.996,-53.27) -100.413,-52.686 -100.413,-52.297 -99.915,-51.8 -99.137,-51.8 -96.101,-48.763 -77.881,-48.763 -74.895,-45.777 -39.767,-45.777 -35.916,-41.926 -35.75,-41.926 -35.8,-41.876 -35.8,-38.3 D9.37@-35.75,-38.25 ; D1.32@-109.25,-67.1 -107.406,-67.1 v1(-105.95,-65.644) ; v1(-102.382,-61.478) -102.382,-61.413 -98.287,-57.318 v1(-98.287,-57.253) -98.27,-57.236 D18.7@-96.385,-57.236 ; v1(-35.861,-41.872) v1@-35.75,-41.872
  Bottom Layer w0.15: XS1.A23@-131.53,-23.59 -121.713,-23.59 v1@-121.612,-23.69 ; v1(-121.525,-23.603) v1@-121.612,-23.69 ; XS2.A23@-111.21,-23.59 -114.77,-23.59 -115.934,-24.754 -120.374,-24.754 -121.437,-23.69 v1@-121.612,-23.69 ; v1(-105.95,-65.644) -105.95,-65.631 -105.65,-65.331 -105.65,-65.064 -102.444,-61.858 -102.444,-61.54 v1(-102.382,-61.478) ; v1(-100.996,-53.27) -100.996,-54.543 v1(-98.287,-57.253)